# KiCad board cm4-printing-deck.kicad_pcb (continued)
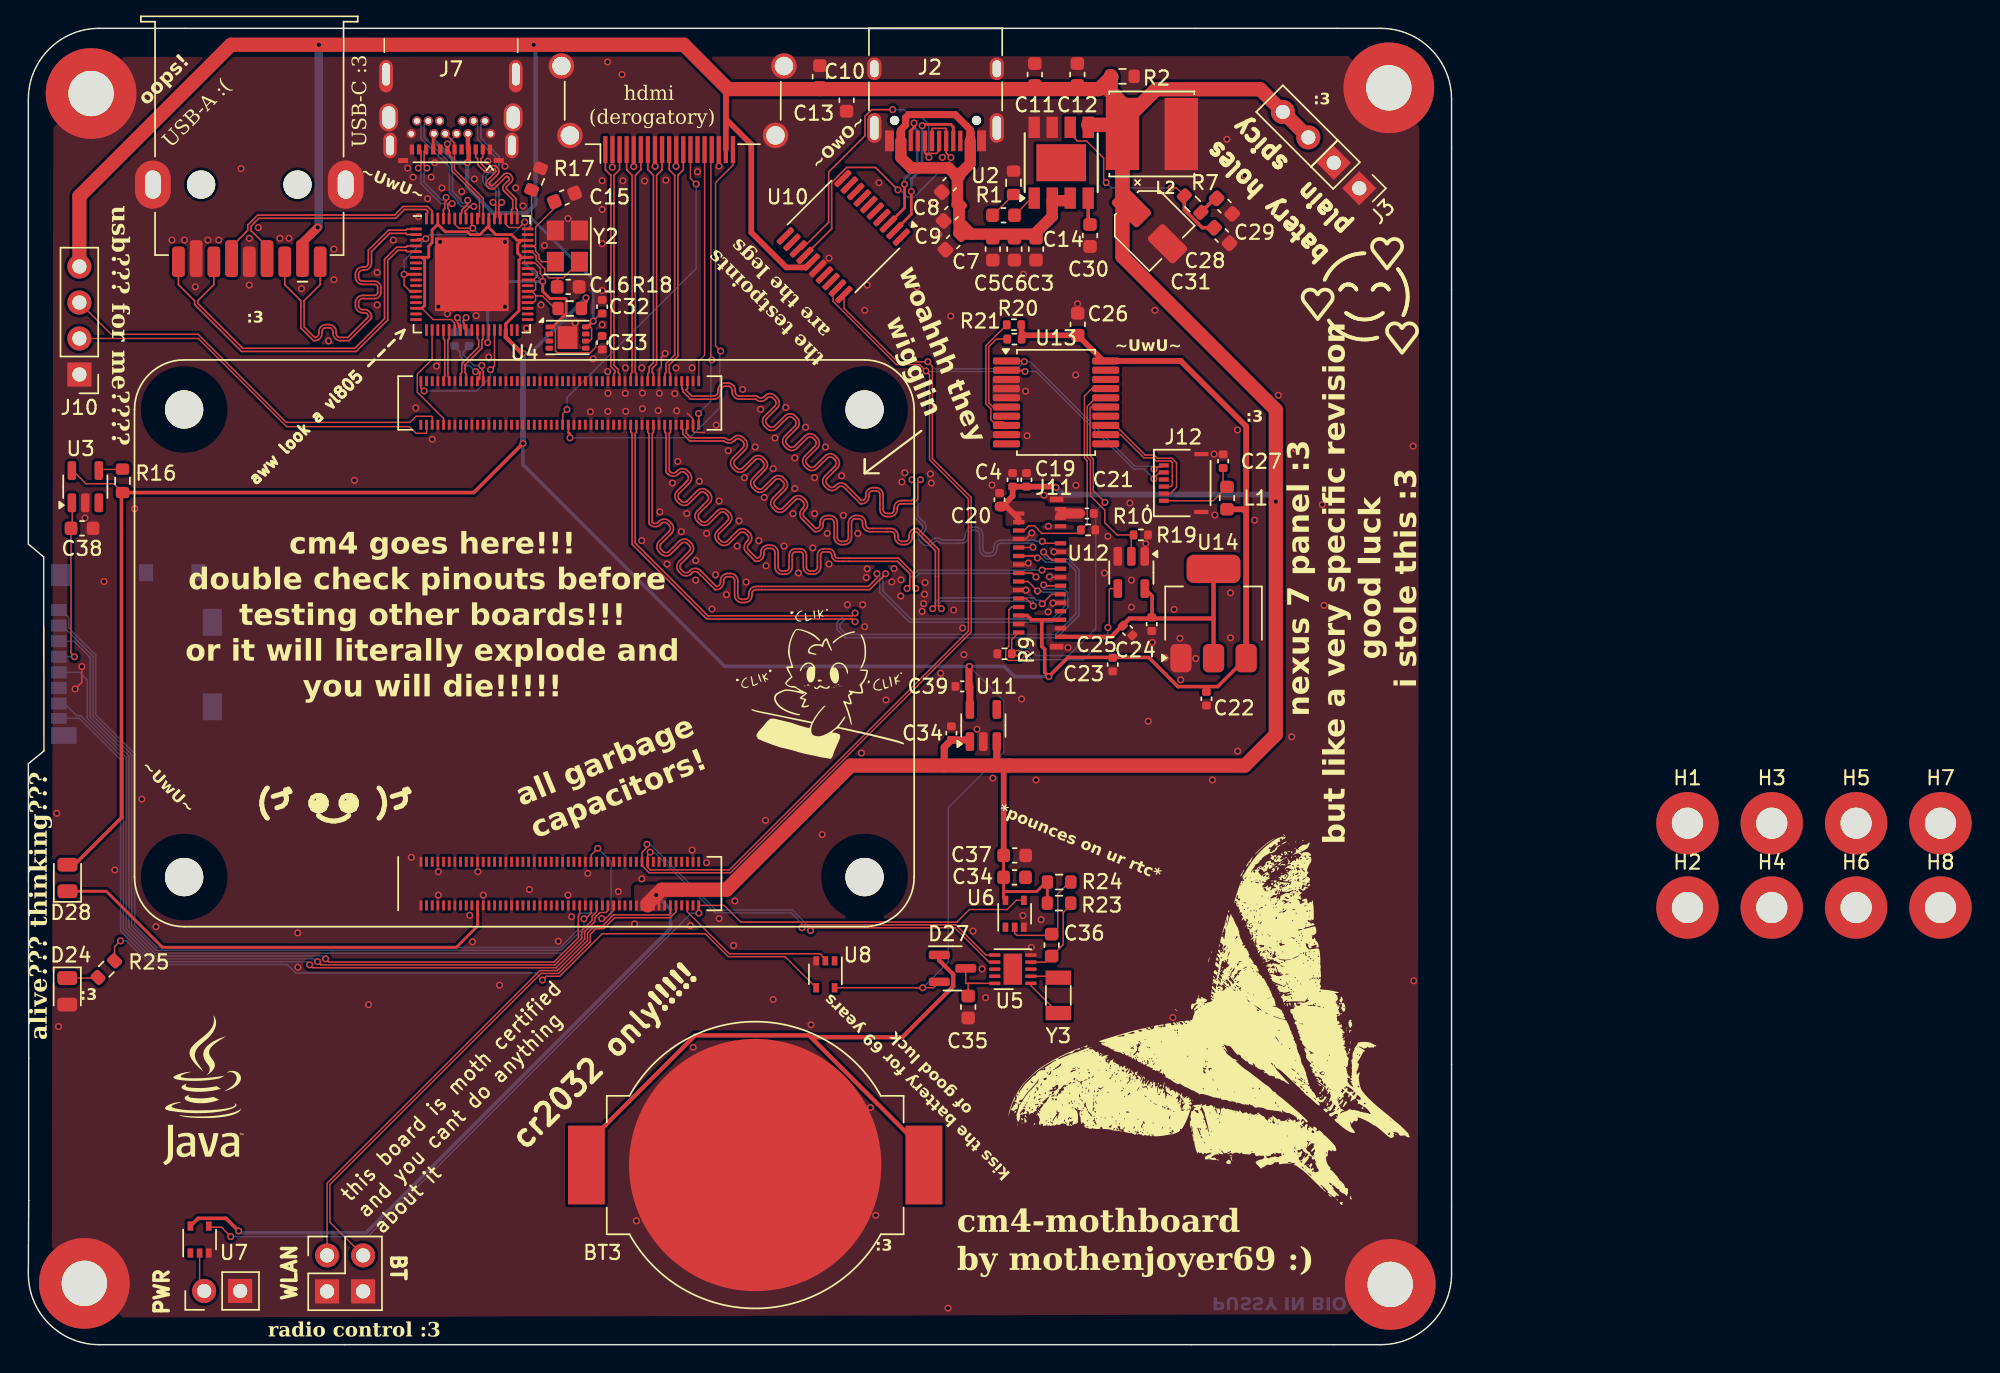
[diagram p0: board, top side]
## Routing (per net, layer and track width the routed paths; a pad name or vN(x,y) marks a point on that pad's centre or on a via; arc(x,y) is an arc through that point) (continued)
PE_nRST: length 7.9
  Top w0.1: U1.109 29.29,65.37 27.44,67.22 27.44,68.5 28.48,69.54 U9.19
PE_RX_C_N: length 2.3
  Top w0.115: v1(30.88,72.48) 30.7,72.3 30.7,72.1 30.74,72.05 30.74,71.75 U9.25
  Bottom w0.115: C17.2 30.69,71.85 30.69,72.29 v1(30.88,72.48)
PE_RX_C_P: length 2.2
  Top w0.115: v1(30.27,72.48) 30.27,72.13 30.34,72.05 30.34,71.83 30.48,71.69 U9.24
  Bottom w0.115: C18.2 30.46,71.85 30.46,72.29 v1(30.27,72.48)
PE_RX_N: length 3.6
  Top w0.115: U1.124 32.09,68.72 31.98,68.83 v1(31.98,69.1)
  Bottom w0.115: v1(31.98,69.1) 31.44,69.1 30.69,69.85 30.69,70.06 31.08,70.46 C17.1
PE_RX_P: length 3.8
  Top w0.115: U1.122 31.83,68.14 31.83,68.51 31.86,68.51 31.86,68.63 31.82,68.67 v1(31.55,68.67)
  Bottom w0.115: C18.1 30.06,70.46 30.46,70.06 30.46,69.76 30.63,69.59 arc(30.67,69.5) 30.63,69.42 arc(30.6,69.33) 30.63,69.25 30.8,69.09 arc(30.88,69.05) 30.97,69.09 arc(31.05,69.12) 31.14,69.09 v1(31.55,68.67)
PE_TX_N: length 4.2
  Top w0.115: U9.28 32.08,70.99 32,70.9 32,70.33 30.8,69.14 30.8,68.61 30.89,68.53 U1.118
PE_TX_P: length 4.2
  Top w0.115: U9.27 31.68,70.99 31.77,70.9 31.77,70.42 30.58,69.23 30.58,68.61 30.49,68.53 U1.116
PWR_LED: length 11.7
  Top w0.1: U8.2 56.23,27.21 55.85,27.59 49.45,27.59 46.49,30.55 U1.95
RTC_INT: length 5.9
  Top w0.1: U5.4 71.76,27 C36.2 73,28.24 73,30.5 73.54,31.03 73.54,31.16
SCL: length 110.7
  Top w0.1: v1(43.64,35.31) 43.64,35.09 43.29,34.75 U1.80 ; v1(55.18,29.22) 55.38,29.43 65.35,29.43 67.78,27 U5.7 ; 43.3,34.08 43.3,33.79 43.79,33.31 49.53,33.31 66.51,50.29 66.51,59.79 63.77,62.53 63.77,69.05 v1(63.45,69.37) 61.32,69.37 57.54,73.14 U10.20 ; U13.1 70.21,69.42 v1(70.26,69.38) ; v1(79.41,61.79) 79.53,61.79 79.69,61.95 79.99,61.95 J12.6
  Bottom w0.1: v1(43.64,35.31) 43.88,35.31 48.51,30.68 53.89,30.68 55.18,29.39 v1(55.18,29.22) ; v1(79.41,61.79) 79.2,62 78.05,62 70.67,69.38 v1(70.26,69.38) 69.76,68.88 63.94,68.88 v1(63.45,69.37)
SD_CLK: length 56.8
  Top w0.1: 38.9,31 38.9,30.45 38.8,30.35 38.8,28.73 37.07,27 21.2,27 v1(20.97,27.23)
  Bottom w0.1: v1(20.97,27.23) 20.77,27.43 8.84,27.43 6.9,29.37 6.9,41.47 4.15,44.22 4.15,46.93 3.62,47.45 J1.5
SD_CMD: length 65.1
  Top w0.1: 39.7,34.08 39.7,34.56 v1(40.18,35.03)
  Bottom w0.1: v1(40.18,35.03) 41.11,34.09 41.11,30.17 40.3,29.35 39.4,29.35 37.68,27.63 8.93,27.63 7.1,29.46 7.1,41.55 4.35,44.3 4.35,48.51 3.21,49.65 J1.3
SD_DAT0: length 55.1
  Top w0.1: v1(20.4,27.03) 20.63,26.8 37.15,26.8 39.05,28.69 39.05,29.23 39.77,29.95 39.77,30.24 40.1,30.57 40.1,31
  Bottom w0.1: v1(20.4,27.03) 20.2,27.23 8.76,27.23 6.7,29.29 6.7,41.38 3.68,44.4 3.4,44.4 2.55,45.25 J1.7
SD_DAT1: length 55.6
  Top w0.1: v1(19.85,26.81) 20.05,26.6 37.23,26.6 39.25,28.61 39.25,29.15 39.97,29.87 39.97,30.16 40.32,30.5 40.74,30.5 40.9,30.66 40.9,31
  Bottom w0.1: v1(19.85,26.81) 19.85,26.83 19.65,27.03 8.68,27.03 6.5,29.21 6.5,41.3 3.6,44.2 J1.8
SD_DAT2: length 61.3
  Top w0.1: v1(40.45,30.07) 40.71,30.07 41.3,30.66 41.3,31
  Bottom w0.1: J1.1 2.32,51.85 2.85,51.32 2.85,50.58 4.75,48.68 4.75,44.46 7.5,41.71 7.5,29.62 9.09,28.03 37.52,28.03 38.8,29.31 38.8,30.22 39.03,30.46 39.59,30.46 39.84,30.46 40.23,30.07 v1(40.45,30.07)
SD_DAT3: length 58.6
  Top w0.1: v1(39.2,30.06) 39.31,30.06 39.7,30.45 39.7,31
  Bottom w0.1: v1(39.2,30.06) 39.2,29.43 37.6,27.83 9.01,27.83 7.3,29.54 7.3,41.63 4.55,44.38 4.55,48.59 2.39,50.75 J1.2
SD_PWR: length 12
  Top w0.1: v1(3.25,48.55) 3.01,48.79 C38.2 ; 3.1,57.6 3.1,59.34
  Bottom w0.1: v1(3.25,48.55) J1.4
SDA: length 109.2
  Top w0.1: U13.2 70.22,68.78 v1(70.31,68.68) ; v1(79.4,61.1) 79.4,61.16 79.8,61.56 J12.5 ; v1(43.87,34.76) 43.69,34.58 U1.82 ; 43.7,34.08 43.7,33.68 43.87,33.5 49.44,33.5 66.31,50.37 66.31,59.71 63.57,62.45 63.57,68.47 v1(63.32,68.72) 62.87,69.17 61.23,69.17 56.77,73.63 56.77,74.26 U10.19 ; U5.6 67.56,27.5 65.43,29.62 54.78,29.62 v1(54.58,29.43)
  Bottom w0.1: v1(43.87,34.76) 44.15,34.76 48.43,30.48 53.81,30.48 54.58,29.71 v1(54.58,29.43) ; v1(63.32,68.72) 63.36,68.68 v1(70.31,68.68) 71.09,68.68 77.97,61.8 78.7,61.8 v1(79.4,61.1)
SSRX1+: length 8.9
  Top w0.115: v1(33.39,80.62) 33.2,80.43 33.2,79.57 U9.55
  Bottom w0.115: v1(33.39,80.62) 33.2,80.81 33.2,81.39 arc(33.05,81.75) 32.68,81.9 32.57,81.9 arc(32.37,81.99) 32.28,82.19 32.28,82.39 arc(32.37,82.6) 32.57,82.68 32.68,82.68 arc(33.05,82.83) 33.2,83.19 33.2,83.87 31.92,85.15 31.92,86.08 32.21,86.36
SSRX1-: length 8.9
  Top w0.115: U9.56 32.97,79.57 32.97,80.43 v1(32.78,80.62)
  Bottom w0.115: J7.B10 31.7,86.08 31.7,85.05 32.97,83.78 32.97,83.19 arc(32.89,82.99) 32.68,82.9 32.57,82.9 arc(32.21,82.75) 32.06,82.39 32.06,82.19 arc(32.21,81.83) 32.57,81.68 32.68,81.68 arc(32.89,81.6) 32.97,81.39 32.97,80.81 v1(32.78,80.62)
SSRX2+: length 6.8
  Top w0.115: v1(27.51,83.03) 27.7,83.23 27.7,84.22 J7.A11 ; v1(29.9,80.53) 29.63,80.53 29.6,80.5 29.6,80.19 29.68,80.1 U9.64
  Bottom w0.115: v1(29.9,80.53) 29.11,80.53 27.7,81.94 27.7,82.84 v1(27.51,83.03)
SSRX2-: length 6.3
  Top w0.115: v1(28.12,83.03) 27.92,83.23 27.92,84.22 J7.A10 ; U9.65 29.28,80.1 29.37,80.19 29.37,80.6 29.47,80.69 v1(29.47,80.96)
  Bottom w0.115: v1(29.47,80.96) 29.26,80.76 29.2,80.76 27.92,82.03 27.92,82.84 v1(28.12,83.03)
SSRX3+: length 25.6
  Top w0.115: J8.6 13.09,74.81 11.95,73.68 11.95,73.5 15.13,70.32 23.03,70.32 25.13,72.41 25.13,76.6 25.98,77.45 26.64,77.45 26.73,77.54 U9.4
SSRX3-: length 25.9
  Top w0.115: J8.5 10.59,74.81 11.72,73.68 11.72,73.4 15.03,70.1 23.13,70.1 25.35,72.32 25.35,76.51 26.07,77.23 26.64,77.23 26.73,77.14 U9.5
SSTX1+: length 9.5
  Top w0.115: U9.52 34.48,80.1 34.4,80.19 34.4,80.89 33.73,81.57 arc(33.7,81.64) 33.73,81.71 34.07,82.05 arc(34.17,82.28) 34.07,82.51 34,82.59 arc(33.77,82.68) 33.54,82.59 32.76,81.81 arc(32.69,81.78) 32.62,81.81 32.54,81.88 arc(32.51,81.95) 32.54,82.02 33.11,82.59 arc(33.2,82.82) 33.11,83.05 33.03,83.12 arc(32.8,83.22) 32.57,83.12 32.44,82.99 arc(32.37,82.96) 32.3,82.99 31.92,83.37 31.92,83.69 32.06,83.83 J7.A2
SSTX1-: length 9.5
  Top w0.115: J7.A3 31.56,83.83 31.7,83.69 31.7,83.27 32.14,82.83 arc(32.37,82.74) 32.6,82.83 32.73,82.96 arc(32.8,82.99) 32.87,82.96 32.95,82.89 arc(32.98,82.82) 32.95,82.75 32.38,82.18 arc(32.29,81.95) 32.38,81.72 32.46,81.65 arc(32.69,81.55) 32.92,81.65 33.7,82.43 arc(33.77,82.46) 33.84,82.43 33.91,82.35 arc(33.94,82.28) 33.91,82.21 33.57,81.87 arc(33.47,81.64) 33.57,81.41 34.17,80.8 34.17,80.19 34.08,80.1 U9.53
SSTX2+: length 9.5
  Top w0.115: v1(31.42,80.33) 31.15,80.33 30.8,79.98 30.8,79.88 30.88,79.79 U9.61
  Bottom w0.115: v1(31.42,80.33) 30.55,80.33 30.31,80.57 30.31,80.7 29.7,81.31 29.7,83.12 27.7,85.12 27.7,86.08 J7.B2
SSTX2-: length 9
  Top w0.115: U9.62 30.48,79.79 30.57,79.88 30.57,80.07 30.99,80.49 v1(30.99,80.76)
  Bottom w0.115: 28.21,86.36 27.92,86.08 27.92,85.21 29.92,83.21 29.92,81.4 30.53,80.8 30.53,80.66 30.64,80.56 30.79,80.56 v1(30.99,80.76)
SSTX3+: length 24
  Top w0.115: J8.9 20.59,74.81 19.45,73.68 19.45,71.84 20.21,71.08 arc(20.41,71.17) 20.49,71.37 20.49,71.48 arc(20.64,71.84) 21.01,72 21.21,72 arc(21.57,71.84) 21.72,71.48 21.72,71.37 arc(21.8,71.17) 22.01,71.08 22.53,71.08 23.98,72.54 arc(23.9,72.74) 23.7,72.83 23.58,72.83 arc(23.22,72.98) 23.07,73.34 23.07,73.54 arc(23.22,73.9) 23.58,74.05 24.43,74.05 arc(24.58,74.12) 24.65,74.27 24.65,74.61 arc(24.58,74.76) 24.43,74.83 23.58,74.83 arc(23.22,74.98) 23.07,75.34 23.07,75.54 arc(23.22,75.9) 23.58,76.05 23.7,76.05 arc(23.9,76.14) 23.98,76.34 23.98,77.24 25.4,78.66 26.64,78.66 26.73,78.74 U9.1
SSTX3-: length 24.4
  Top w0.115: J8.8 18.09,74.81 19.22,73.68 19.22,71.75 20.11,70.86 20.21,70.86 arc(20.57,71.01) 20.72,71.37 20.72,71.48 arc(20.8,71.69) 21.01,71.77 21.21,71.77 arc(21.41,71.69) 21.49,71.48 21.49,71.37 arc(21.64,71.01) 22.01,70.86 22.62,70.86 24.21,72.45 24.21,72.54 arc(24.06,72.9) 23.7,73.05 23.58,73.05 arc(23.38,73.14) 23.3,73.34 23.3,73.54 arc(23.38,73.74) 23.58,73.83 24.43,73.83 arc(24.74,73.96) 24.87,74.27 24.87,74.61 arc(24.74,74.92) 24.43,75.05 23.58,75.05 arc(23.38,75.14) 23.3,75.34 23.3,75.54 arc(23.38,75.74) 23.58,75.83 23.7,75.83 arc(24.06,75.98) 24.21,76.34 24.21,77.15 25.49,78.43 26.64,78.43 26.73,78.34 U9.2
TOUCH_INT: length 8.9
  Top w0.1: U13.13 76.69,64.88 78.78,62.79 79.42,62.79 79.65,62.56 80.68,62.56 81,62.24 81,60.51 80.55,60.06 J12.2
TOUCH_RST: length 7.8
  Top w0.1: U13.12 77.06,64.22 78.7,62.59 79.34,62.59 79.57,62.36 80.6,62.36 80.7,62.26 80.7,60.66 80.6,60.56 J12.3
USB2D1+: length 7.1
  Top w0.1: J7.A6 30.06,82.94 32.08,80.92 U9.58
  Top w0.115: J7.B6 30.06,84.81 J7.A6
USB2D1-: length 7.3
  Top w0.1: U9.59 31.82,79.62 31.82,80.89 29.86,82.86 29.86,83.75 29.76,83.85 29.76,84.15 J7.A7
  Top w0.115: J7.A7 29.56,84.74 v1(29.56,84.74)
  Bottom w0.115: 30.21,85.46 30.21,85.39 v1(29.56,84.74)
USB2D2+: length 17.1
  Top w0.115: U9.67 28.48,80.01 28.16,80.33 26.44,80.33 25.83,79.72 16.18,79.72 15.47,79.02 15.47,78.64 14.34,77.5 J8.3
USB2D2-: length 16.3
  Top w0.115: U9.68 28.08,79.79 28.17,79.88 28.17,80 28.06,80.11 26.54,80.11 25.92,79.49 16.27,79.49 15.7,78.92 15.7,78.64 16.84,77.5 J8.2
USB_N: length 27.8
  Top w0.1: J10.2 12,71.01 18.22,64.79 26.88,64.79 27.35,64.32 28.05,64.32 28.1,64.37 28.1,64.92
USB_P: length 29.2
  Top w0.1: J10.3 5.84,71.31 11.98,71.31 18.2,65.09 26.92,65.09 27.35,65.52 28.45,65.52 28.5,65.47 28.5,64.92
WLAN_OFF: length 38.1
  Top w0.1: SW62.1 21.07,11.39 36.08,26.4 37.32,26.4 39.45,28.53 39.45,29.04 39.96,29.56 40.51,29.56 41.28,30.33 45.18,30.33 45.3,30.45 45.3,31
Net-(BT3-+): length 47
  Top w0.3: BT3.1 63.18,13.73 55.21,21.69 ; D27.1 64.26,27.13 65.24,26.14 65.24,25.29 61.65,21.69 55.21,21.69 ; 55.21,21.69 55.08,21.83 47.04,21.83 39.37,14.16 BT3.1
Net-(C14-Pad1): length 2.1
  Top w0.1: C14.1 68.03,79.71 R1.1
Net-(C27-Pad2): length 6.3
  Top w0.1: J12.1 83.59,59.56 L1.1 84.29,60.81 C27.2
Net-(C29-Pad1): length 1.5
  Top w0.25: C29.1 83.71,80.9 R7.1
Net-(C36-Pad1): length 7.7
  Top w0.1: U6.2 69.58,29.03 69.73,28.88 72.1,28.88 C36.1 72.62,29.4 72.62,31.81 73.53,32.72 ; 72,29.05 71.83,28.88
Net-(D24-K): length 32.6
  Top w0.2: D24.1 5.5,32 9.46,28.04 30.19,28.04 31.69,29.54 U1.21
Net-(D28-K): length 2.2
  Top w0.1: D28.1 4.87,25.88 R25.1
Net-(J11-XRES): length 16.5
  Top w0.1: U12.4 76.31,53.36 76.25,53.3 76.25,50.7 v1(76.16,50.61) ; v1(70.42,48.74) 69.97,48.29 69.11,48.29 68.95,48.45 68.95,49.07 69.17,49.29 69.17,51.86 69.37,52.06 J11.24
  Bottom w0.1: v1(70.42,48.74) 70.83,48.34 74.45,48.34 76.16,50.05 v1(76.16,50.61)
Net-(R25-Pad2): length 54.7
  Top w0.1: v1(36.26,25.74) 36.53,26 37.48,26 40.48,29 47.76,29 49.37,27.39 53.38,27.39 55.58,25.19 ; v1(6.5,28.5) 6.08,28.08 R25.2
  Bottom w0.1: v1(6.5,28.5) 6.92,28.5 8.59,26.83 18.25,26.83 18.85,26.23 35.77,26.23 v1(36.26,25.74)
Net-(SW20-Pad1): length 2.8
  Top w0.1: SW20.1 12.08,4.11 U7.2
Net-(U2-BST): length 1.9
  Top w0.1: C14.2 70.78,80.92 U2.1
Net-(U2-COMP): length 14.8
  Top w0.1: 73.5,85.91 73.5,85.45 74,84.95 74.65,84.95 75.86,83.74 75.86,82.2 v1(76.04,82.02) ; R7.2 80.99,81.64 v1(80.61,81.64)
  Top w0.25: R7.2 81.55,80.09 82.81,78.83 C28.1
  Bottom w0.1: v1(76.04,82.02) 76.42,81.64 v1(80.61,81.64)
Net-(U2-SS): length 1.7
  Top w0.25: C30.1 74.77,79.18 74.77,80.74
Net-(U3-EN): length 1.6
  Top w0.1: 6.73,61.77 5.15,61.77
Net-(U5-OSCI): length 3.6
  Top w0.1: 73.38,23.4 Y3.2 70.73,25.34 U5.1
Net-(U5-OSCO): length 2.8
  Top w0.1: 73.48,26 U5.2
Net-(U5-VDD): length 4.9
  Top w0.1: 67.19,25.5 66.13,25.5 D27.3 ; 67.19,25.5 66.3,25.5 66.3,24.6 ; 67.19,25.5 U5.10
Net-(U9-TESTEN): length 2.9
  Top w0.1: U9.51 35.5,79.02 R17.2
Net-(U9-XI): length 6
  Top w0.1: 37.43,75.29 36.72,75.29 36.43,75.58 36.43,75.94 35.82,76.54 35.82,76.84 35.52,77.14 U9.47 ; 37.43,75.29 37.73,75.29 Y2.1 ; 37.43,75.29 37.3,75.16 C16.2
Net-(U9-XO): length 6.3
  Top w0.1: 35.64,77.54 35.78,77.39 35.78,77.16 36.02,76.92 36.02,76.63 36.22,76.43 Y2.4 ; 35.64,77.54 U9.48 ; 35.64,77.54 35.67,77.5 35.78,77.62 35.78,78.88 37.16,80.26 37.16,80.37
Net-(U9-~{USBHPE1}): length 6.7
  Top w0.1: U9.42 35.63,75.14 ; 35.63,75.14 35.78,74.99 35.78,74.49 35.63,74.34 U9.40 35.52,74.34 35.78,74.08 35.78,74.02 ; 35.63,75.14 35.91,75.42 35.91,75.67 35.63,75.94 U9.44 ; 35.78,74.02 35.78,73.69 35.63,73.54 U9.38 ; 35.78,74.02 36.25,74.02 37.14,73.13 37.24,73.13
Net-(U13-*RESET): length 6.9
  Top w0.1: U13.6 68.05,66.17 67.75,66.48 67.75,70.43 68.29,70.97 R20.2

## Copper pours and planes (outline as drawn; the poured copper is in the pictures)
+5V on Top: 42.72,32.05 42.75,30.43 42.74,30.09 44.67,30.09 45.12,30.71 45.18,32.46 42.73,32.48
+5V on Top: 71.74,59.53 71.73,59.18 74.55,59.15 74.55,58.05 71.23,58.05 71.25,57.8 68.94,57.79 68.93,59.54
+5V on Top: 42.73,31.48 45.05,31.49 45.05,30.43 42.75,30.43
GND on Top, Bottom, In1.Cu, In2.Cu: 1.76,90.88 98.13,90.95 98.01,2.16 1.65,1.9

## Text on the board
Bottom: PUSSY IN BIO
B.Silkscreen: *nom* ate ur board | BT | 5V | D+ | D- | GND | + | - | PWR | WLAN | (づ ◕‿◕ )づ | battery pins :3 / good fucking luck! | make them kiss / the ground :3 / (boykisser pins) | 5-20v pd ish / ch32x035 usb | trans rights :3 | :3 | un-tp4056s / your tp4056 | This product can expose you to moth, which is / known to the State of California to cause cancer. | this board {dblquote}passed{dblquote} {dblquote}quality{dblquote} control!!! / you can trust me i wouldnt lie
F.Silkscreen: aww look a vl805 ---> | this board is moth certified / and you cant do anything / about it | BT | PWR | WLAN | batery holes | plain  spicy | (づ ◕‿◕ )づ | cr2032 only!!!!! | hdmi / (derogatory) | USB-A :( | USB-C :3 | radio control :3 | the testpoints / are the legs | alive??? thinking??? | usb??? for me???? | cm4-mothboard / by mothenjoyer69 :) | ~UwU~ | *pounces on ur rtc* | :3 | ~OwO~ | kiss the battery for 69 years / of good luck | oops! | woahhh they / wigglin | cm4 goes here!!! / double check pinouts before / testing other boards!!! / or it will literally explode and / you will die!!!!! | all garbage / capacitors! | nexus 7 panel :3 / but like a very specific revision / good luck / i stole this :3
